# Altium PCB WX0.000.863拼板.PcbDoc (part 9 of 15)
Units mm, origin at the board's own origin, x right, y up, seen from the top; angles counter-clockwise.
Board outline 150.37 x 286.89 mm, 2 copper layers (Top Layer, Bottom Layer); 840 components, 0 nets, 2516 pads, 1604 vias.
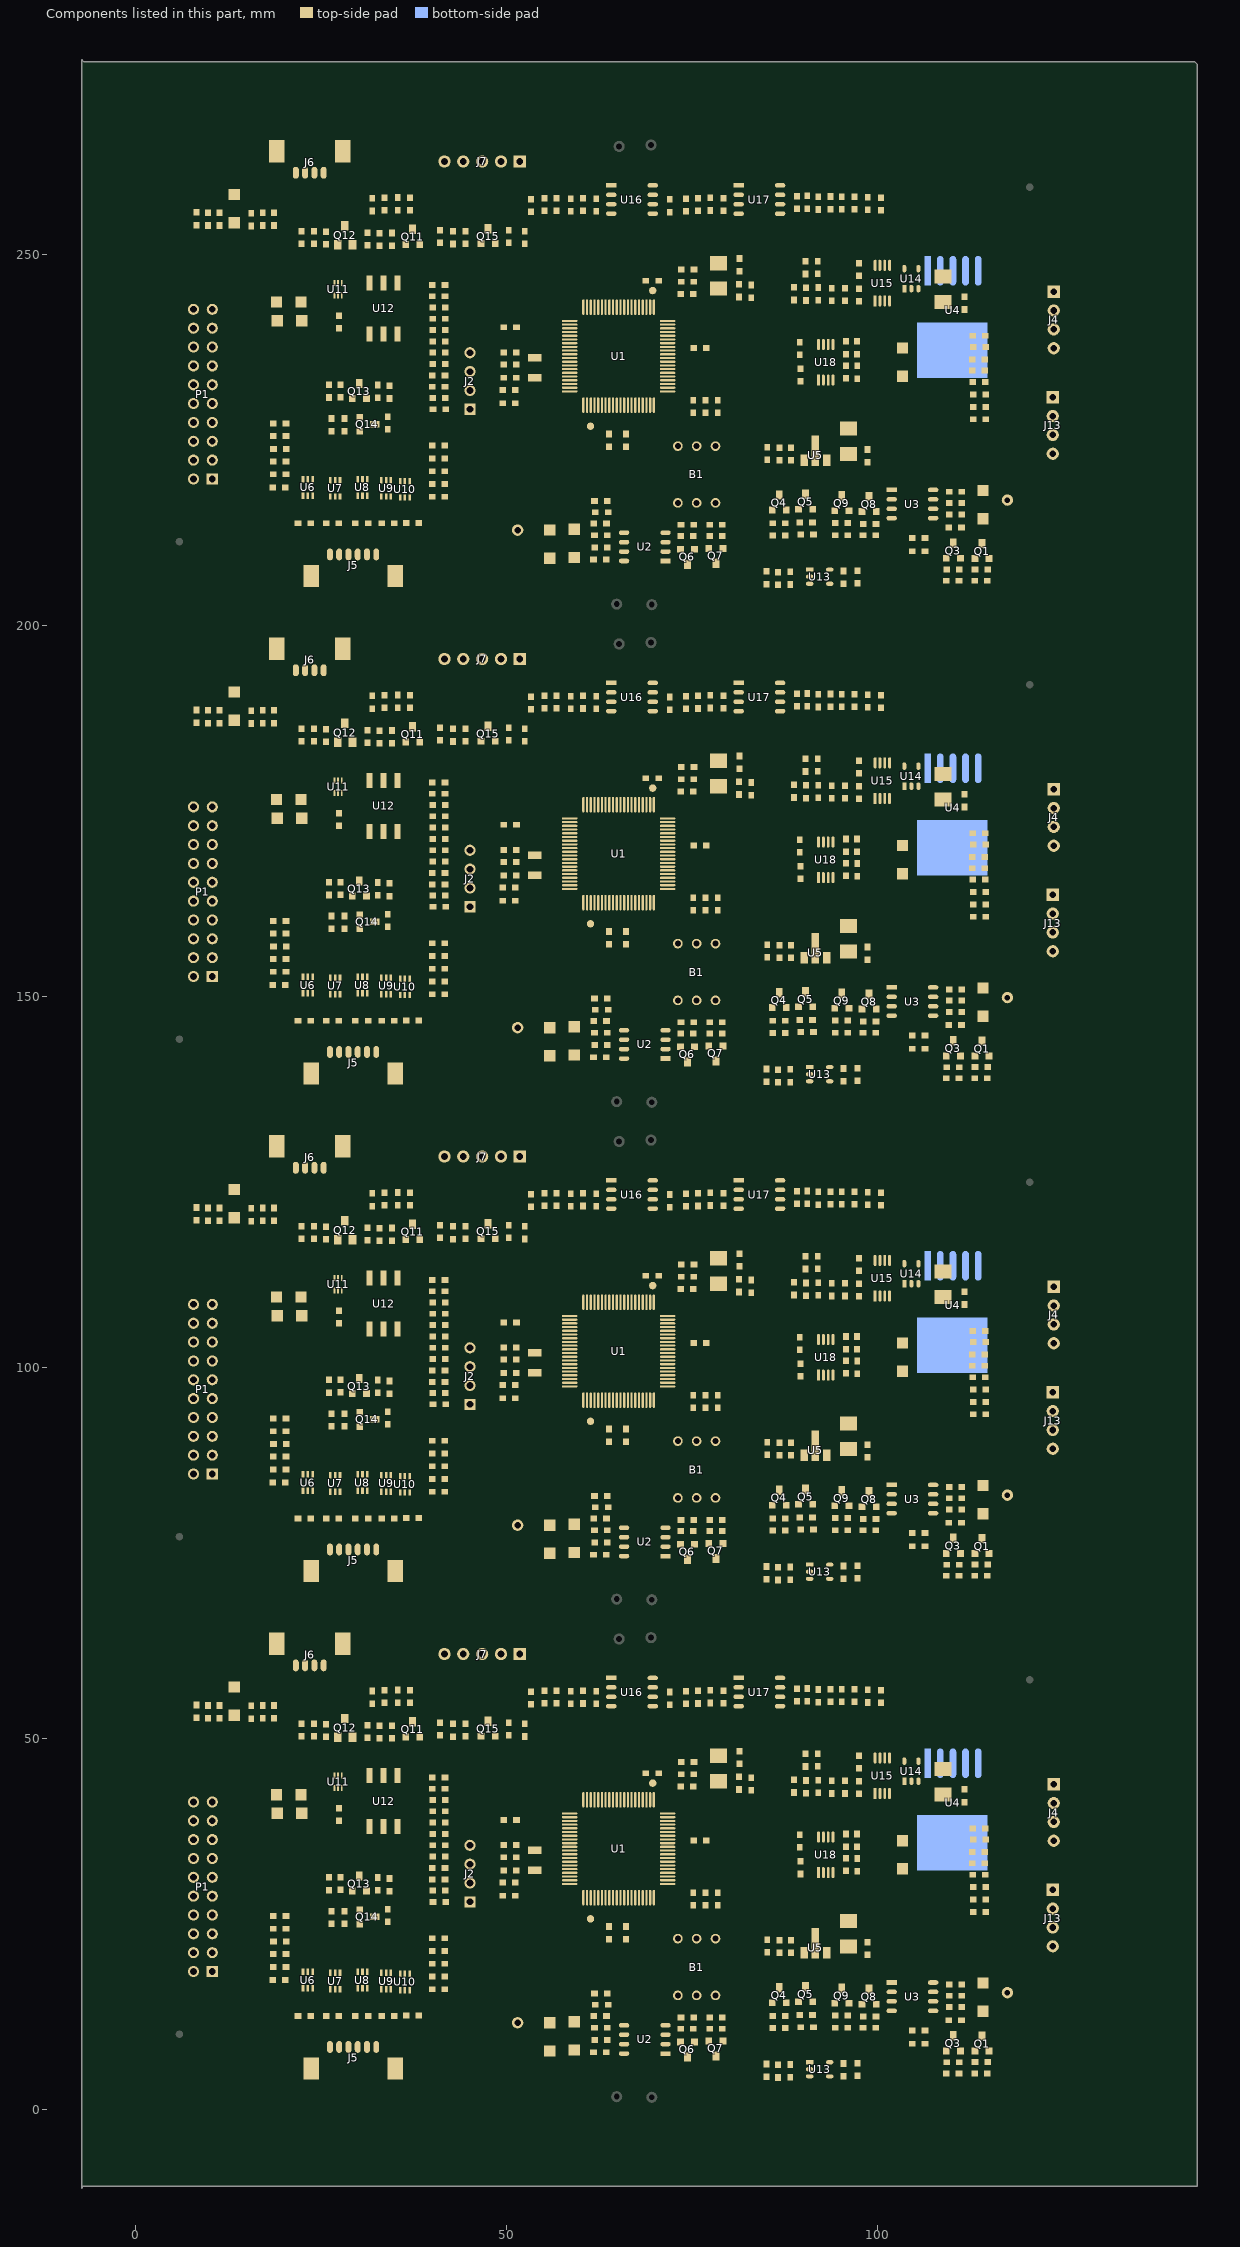
[diagram p9: the components of this part, seen from the top]

## Via types
v1: diameter 0.635, hole 0.381, Top Layer to Bottom Layer, tented both sides, 1604 vias

## Nets (pads, with @x,y where several pads share a name; then routed paths per layer and width w, separated by ;. In a path a pad name is that pad's centre, name@x,y a point inside that pad or via, vN(x,y) a via of type N, cw(c..) or ccw(c..) an arc to the next point about the centre after c; other vN are vias at no path point) (continued)
copper on no net: (continued)
  Top Layer w0.254: v1@68.878,174.063 ccw(c68.178,173.602) 68.178,174.44 ; v1@68.878,241.119 ccw(c68.178,240.658) 68.178,241.496 ; v1(69.037,40.056) 68.765,40.328 68.178,40.328 ; v1(69.037,107.112) 68.765,107.384 68.178,107.384 ; v1(69.037,174.168) 68.765,174.44 68.178,174.44 ; v1(69.037,241.224) 68.765,241.496 68.178,241.496 ; 69.35,27.991 69.35,24.151 71.582,21.92 74.59,21.92 75.641,22.972 75.641,24.486 76.835,25.679 76.835,27.483 ; 69.35,95.047 69.35,91.207 71.582,88.976 74.59,88.976 75.641,90.028 75.641,91.542 76.835,92.735 76.835,94.539 ; 69.35,162.103 69.35,158.263 71.582,156.032 74.59,156.032 75.641,157.084 75.641,158.598 76.835,159.791 76.835,161.595 ; 69.35,229.159 69.35,225.319 71.582,223.088 74.59,223.088 75.641,224.14 75.641,225.654 76.835,226.847 76.835,228.651 ; 69.375,27.991 69.375,28.503 ; 69.375,41.703 69.375,43.594 v1(69.723,43.942) ; 69.375,95.047 69.375,95.559 ; 69.375,108.759 69.375,110.65 v1(69.723,110.998) ; 69.375,162.103 69.375,162.615 ; 69.375,175.815 69.375,177.706 v1(69.723,178.054) ; 69.375,229.159 69.375,229.671 ; 69.375,242.871 69.375,244.762 v1(69.723,245.11) ; v1@69.494,33.401 68.529,33.401 68.123,33.807 68.123,36.281 67.869,36.535 65.034,36.535 ; v1@69.494,100.457 68.529,100.457 68.123,100.863 68.123,103.337 67.869,103.591 65.034,103.591 ; v1@69.494,167.513 68.529,167.513 68.123,167.919 68.123,170.393 67.869,170.647 65.034,170.647 ; v1@69.494,234.569 68.529,234.569 68.123,234.975 68.123,237.449 67.869,237.703 65.034,237.703 ; v1@69.532,43.942 cw(c69.073,43.942) 69.398,43.617 cw(c69.723,43.292) v1@69.723,43.752 ; v1@69.532,110.998 cw(c69.073,110.998) 69.398,110.673 cw(c69.723,110.348) v1@69.723,110.807 ; v1@69.532,178.054 cw(c69.073,178.054) 69.398,177.729 cw(c69.723,177.404) v1@69.723,177.863 ; v1@69.532,245.11 cw(c69.073,245.11) 69.398,244.785 cw(c69.723,244.46) v1@69.723,244.919 ; 69.875,28.503 69.875,24.435 71.339,22.972 73.101,22.972 73.101,23.851 ; 69.875,42.444 69.875,41.703 70.789,41.703 ; 69.875,95.559 69.875,91.491 71.339,90.028 73.101,90.028 73.101,90.907 ; 69.875,109.5 69.875,108.759 70.789,108.759 ; 69.875,162.615 69.875,158.547 71.339,157.084 73.101,157.084 73.101,157.963 ; 69.875,176.556 69.875,175.815 70.789,175.815 ; 69.875,229.671 69.875,225.603 71.339,224.14 73.101,224.14 73.101,225.019 ; 69.875,243.612 69.875,242.871 70.789,242.871 ; 70.35,34.036 70.35,33.156 70.628,32.878 71.7,32.878 71.725,32.853 ; 70.35,101.092 70.35,100.212 70.628,99.934 71.7,99.934 71.725,99.909 ; 70.35,168.148 70.35,167.268 70.628,166.99 71.7,166.99 71.725,166.965 ; 70.35,235.204 70.35,234.324 70.628,234.046 71.7,234.046 71.725,234.021 ; 70.372,45.074 cw(c69.365,44.067) 70.789,44.067 ; 70.372,112.13 cw(c69.365,111.123) 70.789,111.123 ; 70.372,179.186 cw(c69.365,178.179) 70.789,178.179 ; 70.372,246.242 cw(c69.365,245.235) 70.789,245.235 ; 70.492,33.014 ccw(c70.825,33.346) 70.825,32.876 ; 70.492,100.07 ccw(c70.825,100.402) 70.825,99.932 ; 70.492,167.126 ccw(c70.825,167.458) 70.825,166.988 ; 70.492,234.182 ccw(c70.825,234.514) 70.825,234.044 ; 70.51,45.263 70.789,44.983 70.789,41.703 ; 70.51,112.319 70.789,112.039 70.789,108.759 ; 70.51,179.375 70.789,179.095 70.789,175.815 ; 70.51,246.431 70.789,246.151 70.789,242.871 ; 70.552,45.254 cw(c69.978,44.68) 70.789,44.68 ; 70.552,112.31 cw(c69.978,111.736) 70.789,111.736 ; 70.552,179.366 cw(c69.978,178.792) 70.789,178.792 ; 70.552,246.422 cw(c69.978,245.848) 70.789,245.848 ; 70.815,11.303 71.45,11.303 ; 70.815,78.359 71.45,78.359 ; 70.815,145.415 71.45,145.415 ; 70.815,212.471 71.45,212.471 ; 70.929,9.907 ccw(c70.625,9.604) 70.625,10.033 ccw(c70.625,10.462) 70.929,10.159 ; 70.929,11.177 ccw(c70.625,10.874) 70.625,11.303 ccw(c70.625,11.732) 70.929,11.429 ; 70.929,76.963 ccw(c70.625,76.66) 70.625,77.089 ccw(c70.625,77.518) 70.929,77.215 ; 70.929,78.233 ccw(c70.625,77.93) 70.625,78.359 ccw(c70.625,78.788) 70.929,78.485 ; 70.929,144.019 ccw(c70.625,143.716) 70.625,144.145 ccw(c70.625,144.574) 70.929,144.271 ; 70.929,145.289 ccw(c70.625,144.986) 70.625,145.415 ccw(c70.625,145.844) 70.929,145.541 ; 70.929,211.075 ccw(c70.625,210.772) 70.625,211.201 ccw(c70.625,211.63) 70.929,211.327 ; 70.929,212.345 ccw(c70.625,212.042) 70.625,212.471 ccw(c70.625,212.9) 70.929,212.597 ; v1@71.265,40.505 ccw(c70.939,40.18) 70.939,40.64 ccw(c70.939,41.1) v1@71.265,40.775 ; v1@71.265,107.561 ccw(c70.939,107.236) 70.939,107.696 ccw(c70.939,108.156) v1@71.265,107.831 ; v1@71.265,174.617 ccw(c70.939,174.292) 70.939,174.752 ccw(c70.939,175.212) v1@71.265,174.887 ; v1@71.265,241.673 ccw(c70.939,241.348) 70.939,241.808 ccw(c70.939,242.268) v1@71.265,241.943 ; 71.324,11.429 ccw(c71.021,11.732) 71.45,11.732 ccw(c71.879,11.732) 71.576,11.429 ; 71.324,78.485 ccw(c71.021,78.788) 71.45,78.788 ccw(c71.879,78.788) 71.576,78.485 ; 71.324,145.541 ccw(c71.021,145.844) 71.45,145.844 ccw(c71.879,145.844) 71.576,145.541 ; 71.324,212.597 ccw(c71.021,212.9) 71.45,212.9 ccw(c71.879,212.9) 71.576,212.597 ; 71.7,30.378 71.725,30.353 73.254,30.353 v1(73.584,30.023) ; 71.7,38.378 71.725,38.353 70.382,38.353 69.88,37.851 68.428,37.851 ; 71.7,97.434 71.725,97.409 73.254,97.409 v1(73.584,97.079) ; 71.7,105.434 71.725,105.409 70.382,105.409 69.88,104.907 68.428,104.907 ; 71.7,164.49 71.725,164.465 73.254,164.465 v1(73.584,164.135) ; 71.7,172.49 71.725,172.465 70.382,172.465 69.88,171.963 68.428,171.963 ; 71.7,231.546 71.725,231.521 73.254,231.521 v1(73.584,231.191) ; 71.7,239.546 71.725,239.521 70.382,239.521 69.88,239.019 68.428,239.019 ; 71.702,38.83 71.725,38.853 70.243,38.853 69.693,38.303 62.662,38.303 61.316,39.649 ; 71.702,105.886 71.725,105.909 70.243,105.909 69.693,105.359 62.662,105.359 61.316,106.705 ; 71.702,172.942 71.725,172.965 70.243,172.965 69.693,172.415 62.662,172.415 61.316,173.761 ; 71.702,239.998 71.725,240.021 70.243,240.021 69.693,239.471 62.662,239.471 61.316,240.817 ; 71.725,30.853 75.565,30.853 ; 71.725,31.353 80.889,31.353 81.955,30.287 81.955,16.637 ; 71.725,31.853 81.507,31.853 82.407,30.952 82.407,9.963 83.577,8.793 100.06,8.793 101.214,9.947 101.214,12.827 101.645,13.259 101.93,13.259 102.819,13.259 103.256,12.822 103.256,10.282 104.724,8.814 ; 71.725,33.353 76.657,33.353 77.157,32.853 82.381,32.853 83.312,31.922 83.312,27.229 83.312,10.338 83.952,9.698 90.038,9.698 91.389,11.049 ; 71.725,39.853 74.879,39.853 74.897,39.835 75.018,39.835 75.791,39.063 83.573,39.063 83.88,38.755 87.986,38.755 107.518,38.755 108.072,38.202 108.072,36.012 108.082,36.001 108.082,30.217 108.804,29.494 111.836,29.494 112.903,28.428 112.903,28.245 ; 71.725,97.909 75.565,97.909 ; 71.725,98.409 80.889,98.409 81.955,97.343 81.955,83.693 ; 71.725,98.909 81.507,98.909 82.407,98.008 82.407,77.019 83.577,75.849 100.06,75.849 101.214,77.003 101.214,79.883 101.645,80.315 101.93,80.315 102.819,80.315 103.256,79.878 103.256,77.338 104.724,75.87 ; 71.725,100.409 76.657,100.409 77.157,99.909 82.381,99.909 83.312,98.978 83.312,94.285 83.312,77.394 83.952,76.754 90.038,76.754 91.389,78.105 ; 71.725,106.909 74.879,106.909 74.897,106.891 75.018,106.891 75.791,106.119 83.573,106.119 83.88,105.811 87.986,105.811 107.518,105.811 108.072,105.258 108.072,103.068 108.082,103.057 108.082,97.273 108.804,96.55 111.836,96.55 112.903,95.484 112.903,95.301 ; 71.725,164.965 75.565,164.965 ; 71.725,165.465 80.889,165.465 81.955,164.399 81.955,150.749 ; 71.725,165.965 81.507,165.965 82.407,165.064 82.407,144.075 83.577,142.905 100.06,142.905 101.214,144.059 101.214,146.939 101.645,147.371 101.93,147.371 102.819,147.371 103.256,146.934 103.256,144.394 104.724,142.926 ; 71.725,167.465 76.657,167.465 77.157,166.965 82.381,166.965 83.312,166.034 83.312,161.341 83.312,144.45 83.952,143.81 90.038,143.81 91.389,145.161 ; 71.725,173.965 74.879,173.965 74.897,173.947 75.018,173.947 75.791,173.175 83.573,173.175 83.88,172.867 87.986,172.867 107.518,172.867 108.072,172.314 108.072,170.124 108.082,170.113 108.082,164.329 108.804,163.606 111.836,163.606 112.903,162.54 112.903,162.357 ; 71.725,232.021 75.565,232.021 ; 71.725,232.521 80.889,232.521 81.955,231.455 81.955,217.805 ; 71.725,233.021 81.507,233.021 82.407,232.12 82.407,211.131 83.577,209.961 100.06,209.961 101.214,211.115 101.214,213.995 101.645,214.427 101.93,214.427 102.819,214.427 103.256,213.99 103.256,211.45 104.724,209.982 ; 71.725,234.521 76.657,234.521 77.157,234.021 82.381,234.021 83.312,233.09 83.312,228.397 83.312,211.506 83.952,210.866 90.038,210.866 91.389,212.217 ; 71.725,241.021 74.879,241.021 74.897,241.003 75.018,241.003 75.791,240.231 83.573,240.231 83.88,239.923 87.986,239.923 107.518,239.923 108.072,239.37 108.072,237.18 108.082,237.169 108.082,231.385 108.804,230.662 111.836,230.662 112.903,229.596 112.903,229.413 ; 71.971,9.907 cw(c72.274,9.604) 72.274,10.033 cw(c72.274,10.462) 71.971,10.159 ; 71.971,76.963 cw(c72.274,76.66) 72.274,77.089 cw(c72.274,77.518) 71.971,77.215 ; 71.971,144.019 cw(c72.274,143.716) 72.274,144.145 cw(c72.274,144.574) 71.971,144.271 ; 71.971,211.075 cw(c72.274,210.772) 72.274,211.201 cw(c72.274,211.63) 71.971,211.327 ; 72.731,22.602 ccw(c71.839,21.709) 71.839,22.972 ccw(c71.839,24.234) 72.731,23.341 ; 72.731,89.658 ccw(c71.839,88.765) 71.839,90.028 ccw(c71.839,91.29) 72.731,90.397 ; 72.731,156.714 ccw(c71.839,155.821) 71.839,157.084 ccw(c71.839,158.346) 72.731,157.453 ; 72.731,223.77 ccw(c71.839,222.877) 71.839,224.14 ccw(c71.839,225.402) 72.731,224.509 ; 72.852,23.431 ccw(c72.624,23.851) 73.101,23.851 ; 72.852,90.487 ccw(c72.624,90.907) 73.101,90.907 ; 72.852,157.543 ccw(c72.624,157.963) 73.101,157.963 ; 72.852,224.599 ccw(c72.624,225.019) 73.101,225.019 ; 73.223,9.301 ccw(c72.353,10.172) 73.583,10.172 ; 73.223,76.357 ccw(c72.353,77.228) 73.583,77.228 ; 73.223,143.413 ccw(c72.353,144.284) 73.583,144.284 ; 73.223,210.469 ccw(c72.353,211.34) 73.583,211.34 ; 73.317,44.908 73.545,45.136 ; 73.317,111.964 73.545,112.192 ; 73.317,179.02 73.545,179.248 ; 73.317,246.076 73.545,246.304 ; 73.344,10.657 cw(c72.766,10.079) 73.583,10.079 ; 73.344,77.713 cw(c72.766,77.135) 73.583,77.135 ; 73.344,144.769 cw(c72.766,144.191) 73.583,144.191 ; 73.344,211.825 cw(c72.766,211.247) 73.583,211.247 ; 73.344,46.975 cw(c72.889,47.431) 72.889,46.787 cw(c72.889,46.143) 73.344,46.598 cw(c72.859,46.113) 73.545,46.113 ; 73.344,114.031 cw(c72.889,114.487) 72.889,113.843 cw(c72.889,113.199) 73.344,113.654 cw(c72.859,113.169) 73.545,113.169 ; 73.344,181.087 cw(c72.889,181.543) 72.889,180.899 cw(c72.889,180.255) 73.344,180.71 cw(c72.859,180.225) 73.545,180.225 ; 73.344,248.143 cw(c72.889,248.599) 72.889,247.955 cw(c72.889,247.311) 73.344,247.766 cw(c72.859,247.281) 73.545,247.281 ; 73.351,23.431 cw(c73.578,23.851) 73.101,23.851 ; 73.351,90.487 cw(c73.578,90.907) 73.101,90.907 ; 73.351,157.543 cw(c73.578,157.963) 73.101,157.963 ; 73.351,224.599 cw(c73.578,225.019) 73.101,225.019 ; 73.357,44.947 cw(c72.902,44.492) 73.545,44.492 cw(c74.189,44.492) 73.734,44.947 ; 73.357,45.324 ccw(c72.902,45.78) 73.545,45.78 ccw(c74.189,45.78) 73.734,45.324 ; 73.357,112.003 cw(c72.902,111.548) 73.545,111.548 cw(c74.189,111.548) 73.734,112.003 ; 73.357,112.38 ccw(c72.902,112.836) 73.545,112.836 ccw(c74.189,112.836) 73.734,112.38 ; 73.357,179.059 cw(c72.902,178.604) 73.545,178.604 cw(c74.189,178.604) 73.734,179.059 ; 73.357,179.436 ccw(c72.902,179.892) 73.545,179.892 ccw(c74.189,179.892) 73.734,179.436 ; 73.357,246.115 cw(c72.902,245.66) 73.545,245.66 cw(c74.189,245.66) 73.734,246.115 ; 73.357,246.492 ccw(c72.902,246.948) 73.545,246.948 ccw(c74.189,246.948) 73.734,246.492 ; 73.37,43.673 ccw(c72.946,44.097) 73.545,44.097 ; 73.37,110.729 ccw(c72.946,111.153) 73.545,111.153 ; 73.37,177.785 ccw(c72.946,178.209) 73.545,178.209 ; 73.37,244.841 ccw(c72.946,245.265) 73.545,245.265 ; v1@73.393,30.023 ccw(c72.933,30.023) 73.259,30.348 ccw(c73.584,30.673) v1@73.584,30.213 ; v1@73.393,97.079 ccw(c72.933,97.079) 73.259,97.404 ccw(c73.584,97.729) v1@73.584,97.269 ; v1@73.393,164.135 ccw(c72.933,164.135) 73.259,164.46 ccw(c73.584,164.785) v1@73.584,164.325 ; v1@73.393,231.191 ccw(c72.933,231.191) 73.259,231.516 ccw(c73.584,231.841) v1@73.584,231.381 ; 73.403,9.122 ccw(c72.966,9.558) 73.583,9.558 ccw(c73.947,9.558) 73.69,9.301 ; 73.403,76.178 ccw(c72.966,76.614) 73.583,76.614 ccw(c73.947,76.614) 73.69,76.357 ; 73.403,143.234 ccw(c72.966,143.67) 73.583,143.67 ccw(c73.947,143.67) 73.69,143.413 ; 73.403,210.29 ccw(c72.966,210.726) 73.583,210.726 ccw(c73.947,210.726) 73.69,210.469 ; v1@73.488,34.067 ccw(c74.122,34.701) 74.122,33.805 ; v1@73.488,101.123 ccw(c74.122,101.757) 74.122,100.861 ; v1@73.488,168.179 ccw(c74.122,168.813) 74.122,167.917 ; v1@73.488,235.235 ccw(c74.122,235.869) 74.122,234.973 ; 73.508,43.485 73.545,43.523 73.545,45.136 ; 73.508,110.541 73.545,110.579 73.545,112.192 ; 73.508,177.597 73.545,177.635 73.545,179.248 ; 73.508,244.653 73.545,244.691 73.545,246.304 ; v1(73.533,34.112) 73.84,33.805 76.844,33.805 77.344,33.305 82.595,33.305 83.764,32.136 83.764,11.131 ; v1(73.533,101.168) 73.84,100.861 76.844,100.861 77.344,100.361 82.595,100.361 83.764,99.192 83.764,78.187 ; v1(73.533,168.224) 73.84,167.917 76.844,167.917 77.344,167.417 82.595,167.417 83.764,166.248 83.764,145.243 ; v1(73.533,235.28) 73.84,234.973 76.844,234.973 77.344,234.473 82.595,234.473 83.764,233.304 83.764,212.299 ; 73.545,44.16 ccw(c74.233,44.16) 73.747,43.673 ; 73.545,46.173 cw(c74.147,46.173) 73.722,46.598 ; 73.545,111.216 ccw(c74.233,111.216) 73.747,110.729 ; 73.545,113.229 cw(c74.147,113.229) 73.722,113.654 ; 73.545,178.272 ccw(c74.233,178.272) 73.747,177.785 ; 73.545,180.285 cw(c74.147,180.285) 73.722,180.71 ; 73.545,245.328 ccw(c74.233,245.328) 73.747,244.841 ; 73.545,247.341 cw(c74.147,247.341) 73.722,247.766 ; 73.583,8.89 73.583,8.941 73.583,10.643 73.609,10.668 ; 73.583,10.325 cw(c74.054,10.325) 73.721,10.657 ; 73.583,75.946 73.583,75.997 73.583,77.699 73.609,77.724 ; 73.583,77.381 cw(c74.054,77.381) 73.721,77.713 ; 73.583,143.002 73.583,143.053 73.583,144.755 73.609,144.78 ; 73.583,144.437 cw(c74.054,144.437) 73.721,144.769 ; 73.583,210.058 73.583,210.109 73.583,211.811 73.609,211.836 ; 73.583,211.493 cw(c74.054,211.493) 73.721,211.825 ; v1@73.666,32.645 ccw(c74.255,33.234) 74.255,32.401 ; v1@73.666,99.701 ccw(c74.255,100.29) 74.255,99.457 ; v1@73.666,166.757 ccw(c74.255,167.346) 74.255,166.513 ; v1@73.666,233.813 ccw(c74.255,234.402) 74.255,233.569 ; v1@73.668,34.247 ccw(c74.735,35.314) 74.735,33.805 ; v1@73.668,101.303 ccw(c74.735,102.37) 74.735,100.861 ; v1@73.668,168.359 ccw(c74.735,169.426) 74.735,167.917 ; v1@73.668,235.415 ccw(c74.735,236.482) 74.735,234.973 ; v1(73.711,32.69) 73.736,32.69 73.736,32.664 74,32.401 79.934,32.401 ; v1(73.711,99.746) 73.736,99.746 73.736,99.72 74,99.457 79.934,99.457 ; v1(73.711,166.802) 73.736,166.802 73.736,166.776 74,166.513 79.934,166.513 ; v1(73.711,233.858) 73.736,233.858 73.736,233.832 74,233.569 79.934,233.569 ; v1@73.846,32.825 ccw(c74.869,33.848) 74.869,32.401 ; v1@73.846,99.881 ccw(c74.869,100.904) 74.869,99.457 ; v1@73.846,166.937 ccw(c74.869,167.96) 74.869,166.513 ; v1@73.846,233.993 ccw(c74.869,235.016) 74.869,233.569 ; v1@74.363,39.007 cw(c73.793,38.436) 74.6,38.436 ; v1@74.363,106.063 cw(c73.793,105.492) 74.6,105.492 ; v1@74.363,173.119 cw(c73.793,172.548) 74.6,172.548 ; v1@74.363,240.175 cw(c73.793,239.604) 74.6,239.604 ; v1(74.498,39.141) 74.6,39.243 74.6,38.227 75.565,37.262 77.876,37.262 78.435,36.703 78.435,34.163 78.842,33.757 82.783,33.757 84.216,32.324 84.216,30.338 85.621,28.933 101.216,28.933 106.528,23.622 117.831,23.622 121.082,20.371 121.082,7.772 118.567,5.258 ; v1(74.498,106.197) 74.6,106.299 74.6,105.283 75.565,104.318 77.876,104.318 78.435,103.759 78.435,101.219 78.842,100.813 82.783,100.813 84.216,99.38 84.216,97.394 85.621,95.989 101.216,95.989 106.528,90.678 117.831,90.678 121.082,87.427 121.082,74.828 118.567,72.314 ; v1(74.498,173.253) 74.6,173.355 74.6,172.339 75.565,171.374 77.876,171.374 78.435,170.815 78.435,168.275 78.842,167.869 82.783,167.869 84.216,166.436 84.216,164.45 85.621,163.045 101.216,163.045 106.528,157.734 117.831,157.734 121.082,154.483 121.082,141.884 118.567,139.37 ; v1(74.498,240.309) 74.6,240.411 74.6,239.395 75.565,238.43 77.876,238.43 78.435,237.871 78.435,235.331 78.842,234.925 82.783,234.925 84.216,233.492 84.216,231.506 85.621,230.101 101.216,230.101 106.528,224.79 117.831,224.79 121.082,221.539 121.082,208.94 118.567,206.426 ; 74.995,27.243 cw(c74.54,26.788) 75.184,26.788 cw(c75.828,26.788) 75.373,27.243 ; 74.995,94.299 cw(c74.54,93.844) 75.184,93.844 cw(c75.828,93.844) 75.373,94.299 ; 74.995,161.355 cw(c74.54,160.9) 75.184,160.9 cw(c75.828,160.9) 75.373,161.355 ; 74.995,228.411 cw(c74.54,227.956) 75.184,227.956 cw(c75.828,227.956) 75.373,228.411 ; v1(75.082,34.9) 75.108,34.9 75.59,35.382 76.149,35.382 76.962,36.195 ; v1@75.082,35.09 ccw(c75.082,35.611) 75.451,35.243 ; v1(75.082,101.956) 75.108,101.956 75.59,102.438 76.149,102.438 76.962,103.251 ; v1@75.082,102.146 ccw(c75.082,102.667) 75.451,102.299 ; v1(75.082,169.012) 75.108,169.012 75.59,169.494 76.149,169.494 76.962,170.307 ; v1@75.082,169.202 ccw(c75.082,169.723) 75.451,169.355 ; v1(75.082,236.068) 75.108,236.068 75.59,236.55 76.149,236.55 76.962,237.363 ; v1@75.082,236.258 ccw(c75.082,236.779) 75.451,236.411 ; 75.118,22.972 cw(c73.856,22.972) 74.748,22.079 cw(c75.641,21.186) 75.641,22.449 ; 75.118,90.028 cw(c73.856,90.028) 74.748,89.135 cw(c75.641,88.242) 75.641,89.505 ; 75.118,157.084 cw(c73.856,157.084) 74.748,156.191 cw(c75.641,155.298) 75.641,156.561 ; 75.118,224.14 cw(c73.856,224.14) 74.748,223.247 cw(c75.641,222.354) 75.641,223.617 ; 75.184,27.483 75.184,25.933 73.101,23.851 ; 75.184,94.539 75.184,92.989 73.101,90.907 ; 75.184,161.595 75.184,160.045 73.101,157.963 ; 75.184,228.651 75.184,227.101 73.101,225.019 ; 75.271,23.341 ccw(c74.379,24.234) 75.641,24.234 ccw(c76.904,24.234) 76.011,23.341 ; 75.271,90.397 ccw(c74.379,91.29) 75.641,91.29 ccw(c76.904,91.29) 76.011,90.397 ; 75.271,157.453 ccw(c74.379,158.346) 75.641,158.346 ccw(c76.904,158.346) 76.011,157.453 ; 75.271,224.509 ccw(c74.379,225.402) 75.641,225.402 ccw(c76.904,225.402) 76.011,224.509 ; v1@75.273,34.9 cw(c75.671,34.9) 75.39,35.181 ; v1@75.273,101.956 cw(c75.671,101.956) 75.39,102.237 ; v1@75.273,169.012 cw(c75.671,169.012) 75.39,169.293 ; v1@75.273,236.068 cw(c75.671,236.068) 75.39,236.349 ; 76.42,35.653 ccw(c75.878,36.195) 76.644,36.195 ; 76.42,102.709 ccw(c75.878,103.251) 76.644,103.251 ; 76.42,169.765 ccw(c75.878,170.307) 76.644,170.307 ; 76.42,236.821 ccw(c75.878,237.363) 76.644,237.363 ; 76.543,35.776 cw(c76.911,35.407) 76.911,35.928 ; 76.543,102.832 cw(c76.911,102.463) 76.911,102.984 ; 76.543,169.888 cw(c76.911,169.519) 76.911,170.04 ; 76.543,236.944 cw(c76.911,236.575) 76.911,237.096 ; 76.646,27.243 cw(c76.191,26.788) 76.835,26.788 cw(c77.479,26.788) 77.024,27.243 ; 76.646,94.299 cw(c76.191,93.844) 76.835,93.844 cw(c77.479,93.844) 77.024,94.299 ; 76.646,161.355 cw(c76.191,160.9) 76.835,160.9 cw(c77.479,160.9) 77.024,161.355 ; 76.646,228.411 cw(c76.191,227.956) 76.835,227.956 cw(c77.479,227.956) 77.024,228.411 ; 77.478,30.853 75.565,30.853 ; 77.478,97.909 75.565,97.909 ; 77.478,164.965 75.565,164.965 ; 77.478,232.021 75.565,232.021 ; 77.658,22.972 cw(c76.396,22.972) 77.288,22.079 cw(c78.181,21.186) 78.181,22.449 ; 77.658,90.028 cw(c76.396,90.028) 77.288,89.135 cw(c78.181,88.242) 78.181,89.505 ; 77.658,157.084 cw(c76.396,157.084) 77.288,156.191 cw(c78.181,155.298) 78.181,156.561 ; 77.658,224.14 cw(c76.396,224.14) 77.288,223.247 cw(c78.181,222.354) 78.181,223.617 ; 77.811,23.341 ccw(c76.919,24.234) 78.181,24.234 ccw(c79.444,24.234) 78.551,23.341 ; 77.811,90.397 ccw(c76.919,91.29) 78.181,91.29 ccw(c79.444,91.29) 78.551,90.397 ; 77.811,157.453 ccw(c76.919,158.346) 78.181,158.346 ccw(c79.444,158.346) 78.551,157.453 ; 77.811,224.509 ccw(c76.919,225.402) 78.181,225.402 ccw(c79.444,225.402) 78.551,224.509 ; 78.155,13.106 77.419,12.37 78.282,13.233 80.558,13.233 81.955,14.63 81.955,16.637 ; 78.155,80.162 77.419,79.426 78.282,80.289 80.558,80.289 81.955,81.686 81.955,83.693 ; 78.155,147.218 77.419,146.482 78.282,147.345 80.558,147.345 81.955,148.742 81.955,150.749 ; 78.155,214.274 77.419,213.538 